# Altium PCB balancingrobot.PcbDoc
Units mil, origin at the board's own origin, x right, y up, seen from the top; angles counter-clockwise.
Board outline 3549.38 x 3155 mil, 2 copper layers (Top Layer, Bottom Layer); 30 components, 28 nets, 142 pads, 8 vias.
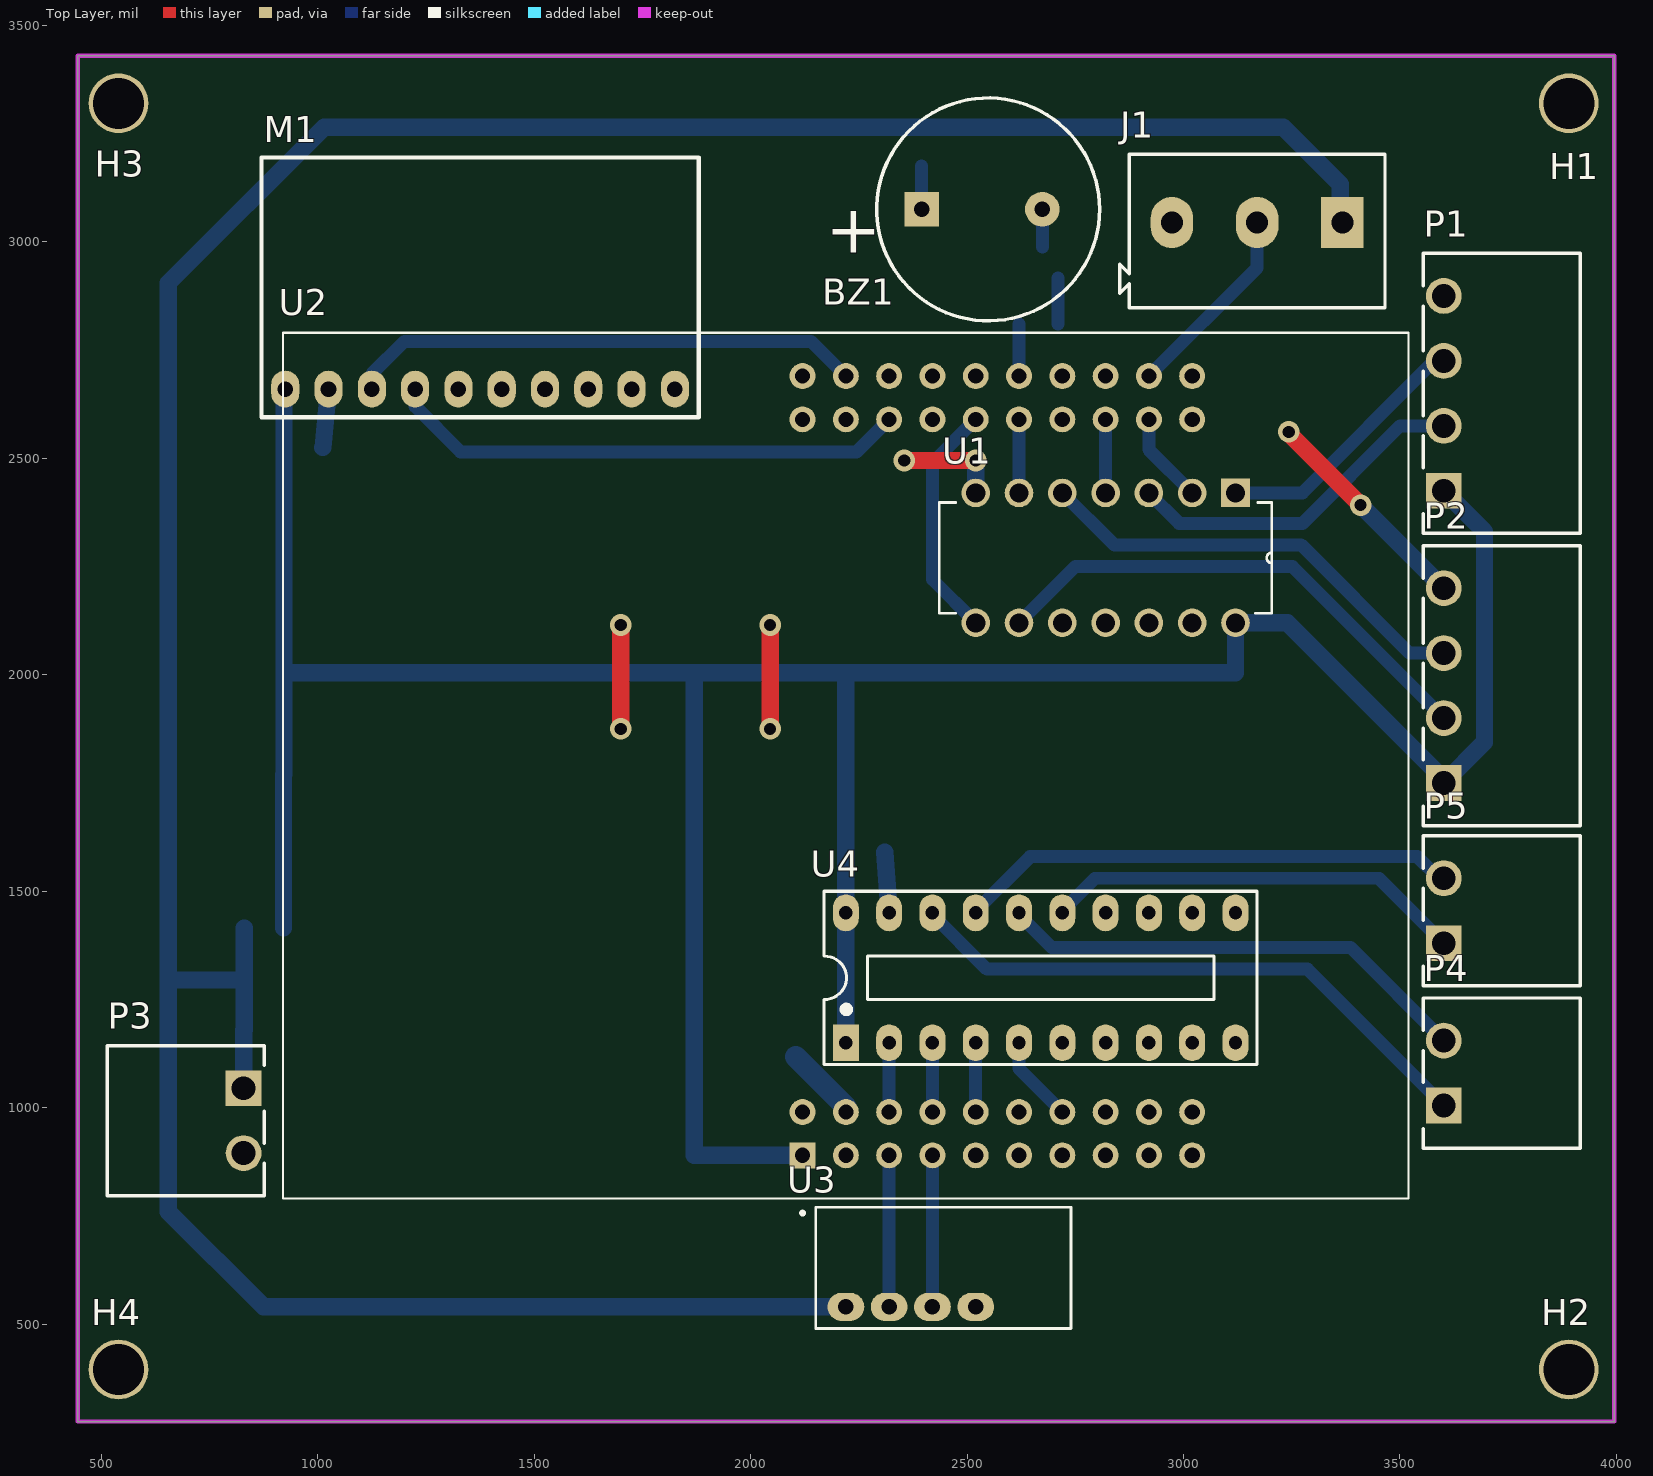
[diagram p0: Top Layer view]
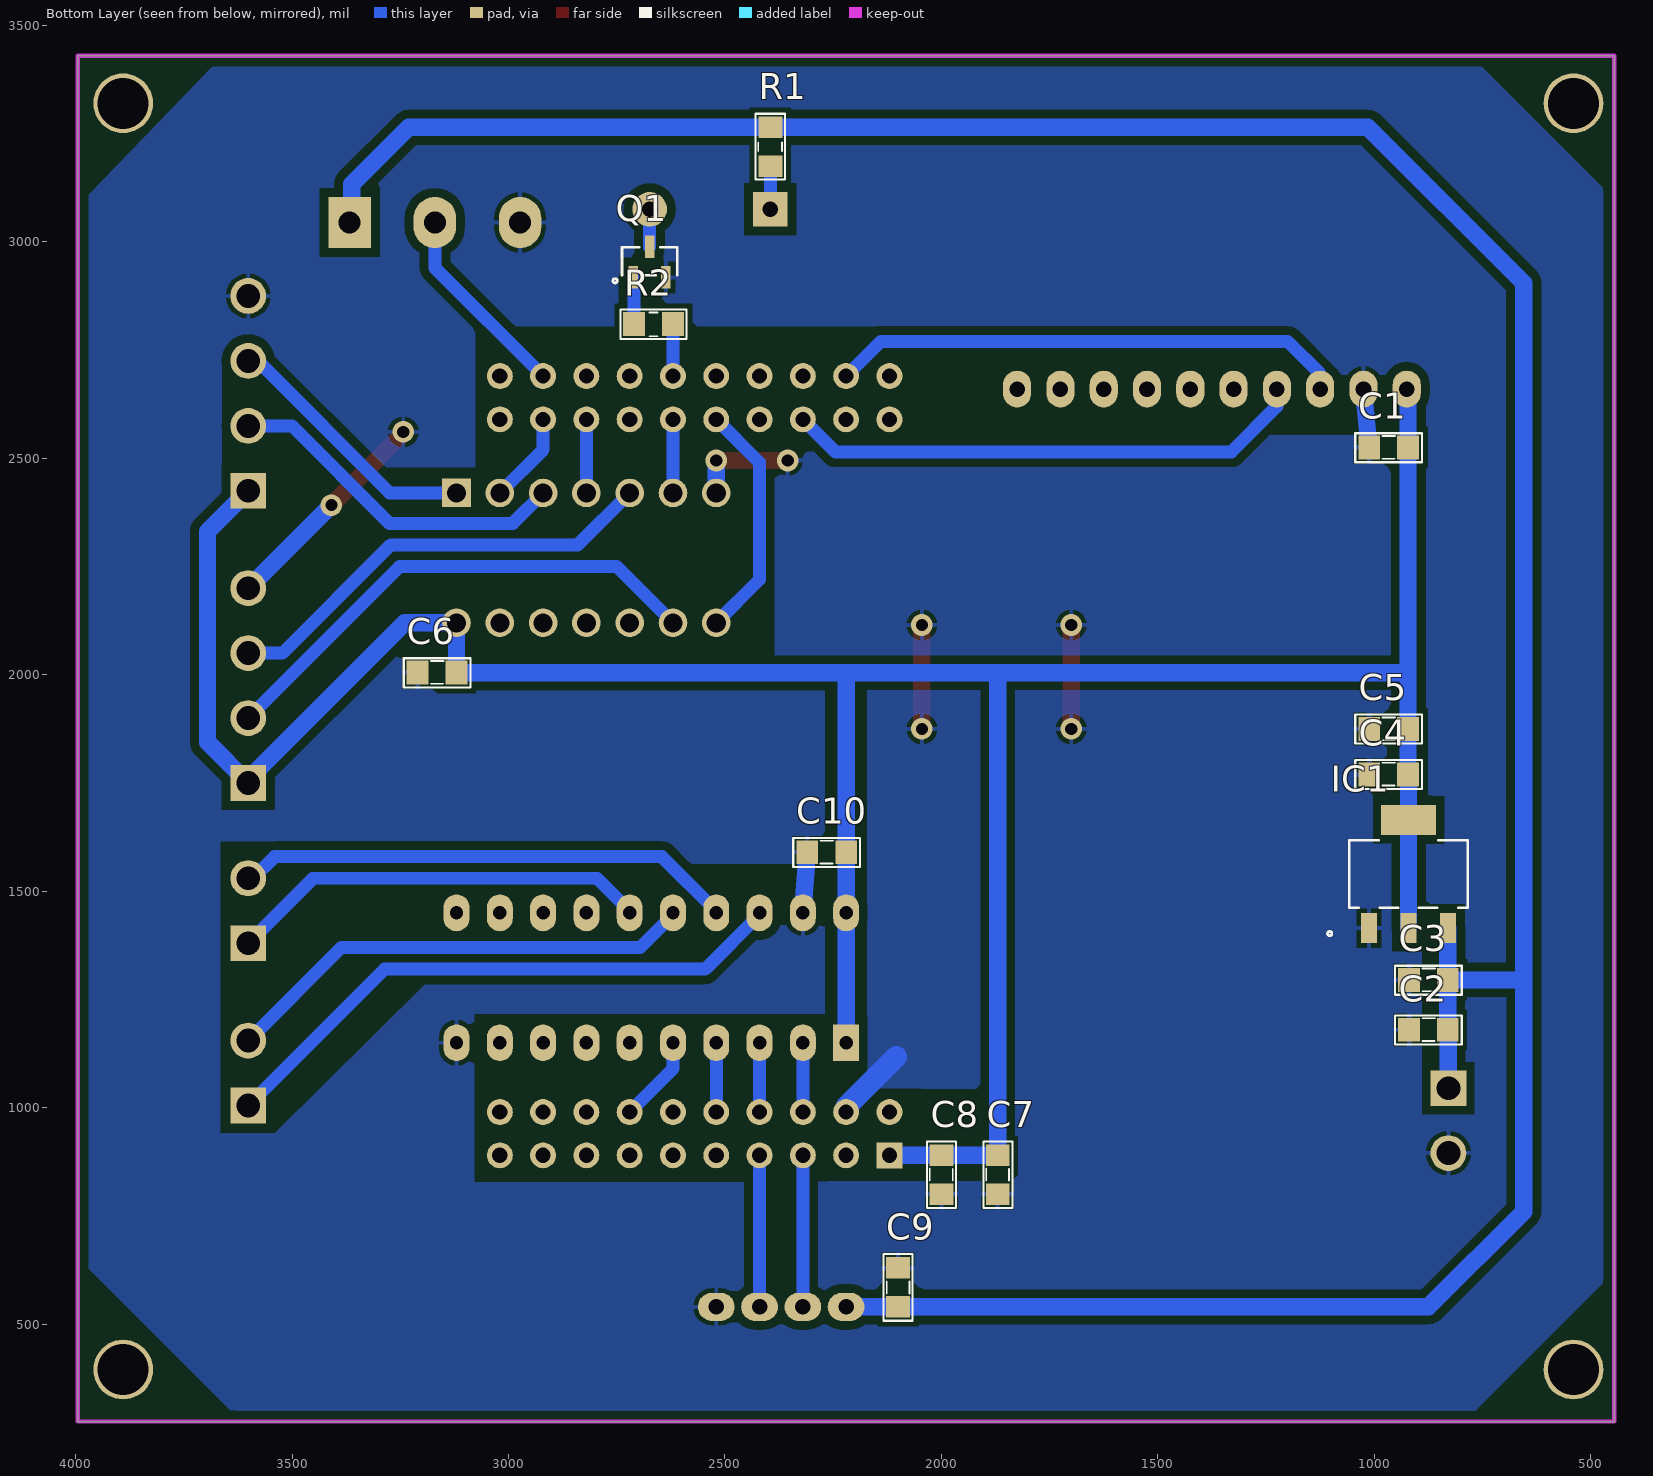
[diagram p1: Bottom Layer view, seen from below]
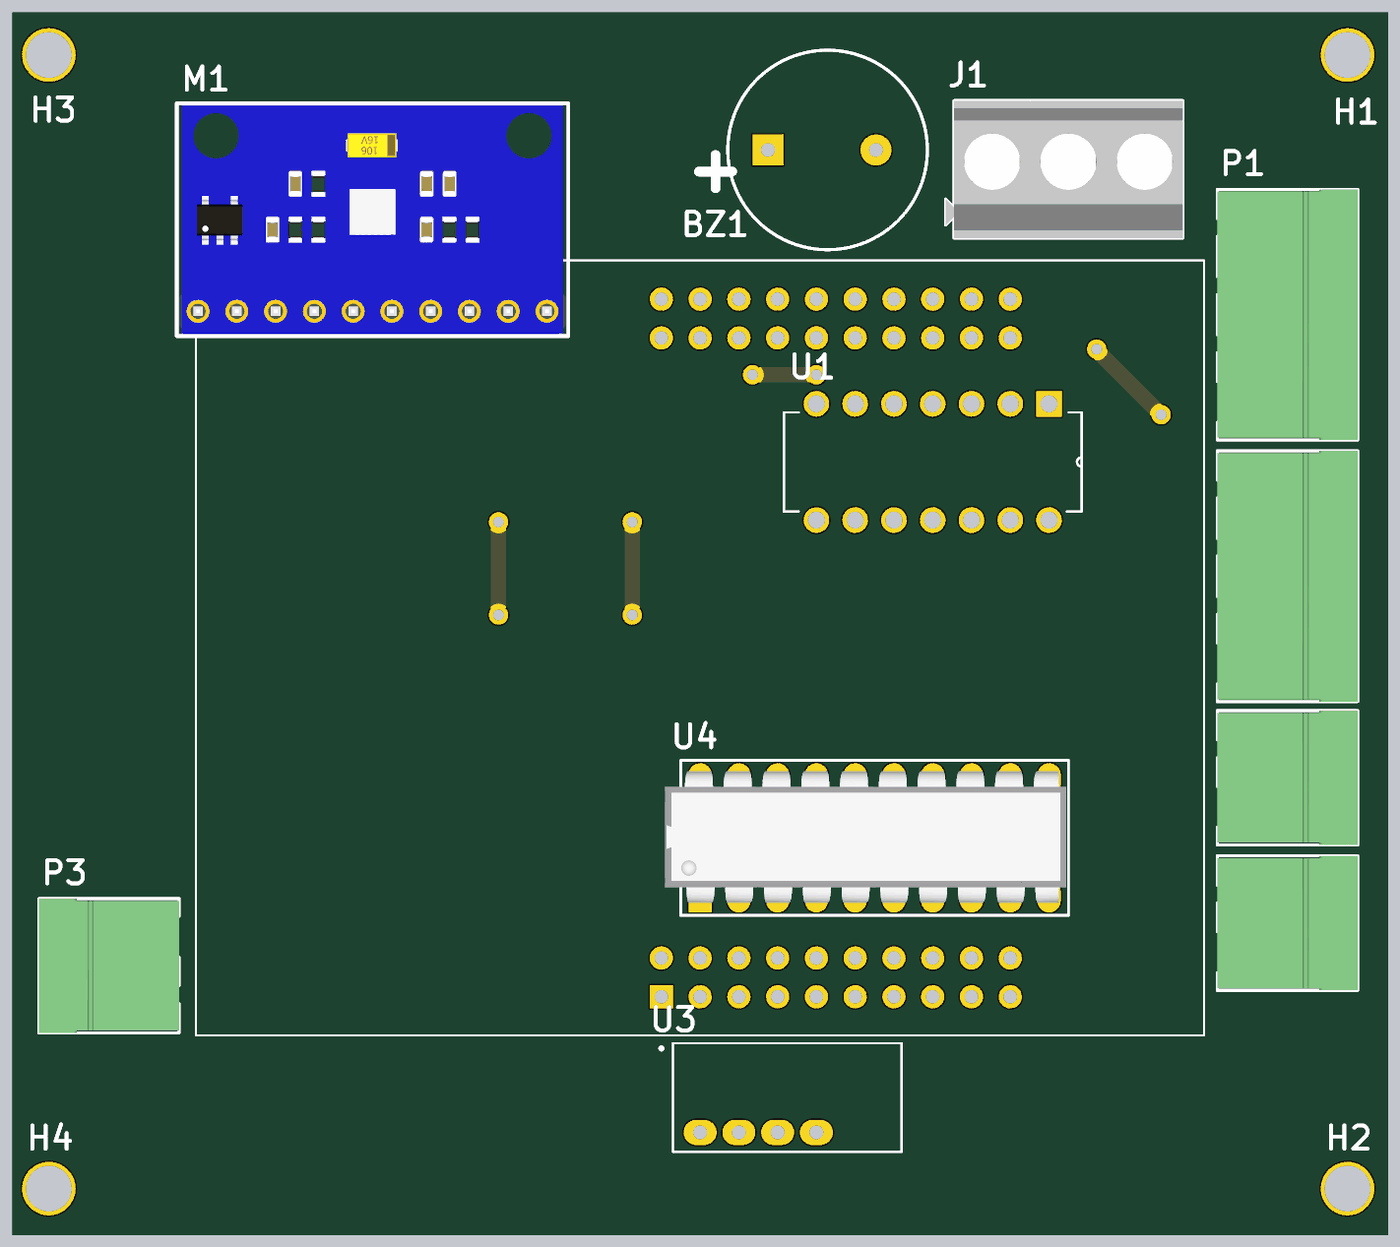
[diagram p2: 3D render of the assembled board from above, using the file's embedded part models]
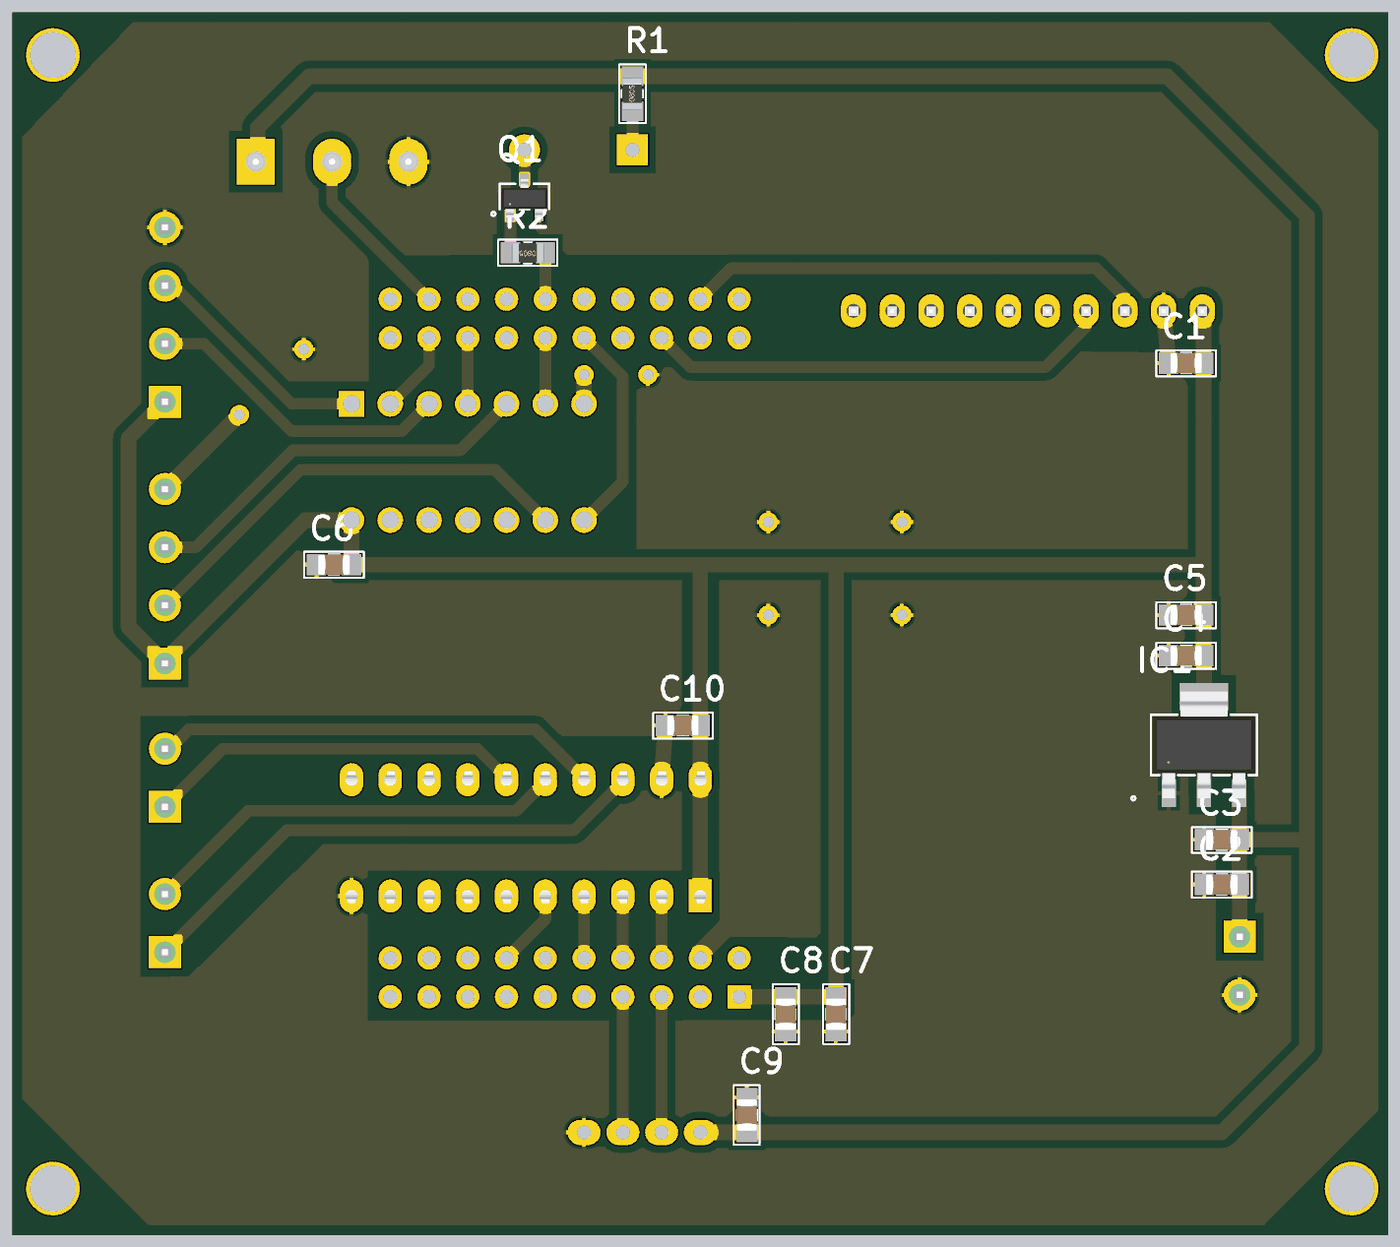
[diagram p3: 3D render of the assembled board from below, using the file's embedded part models]

## Layer stack, top to bottom
Top Solder: solder mask 0.4, Solder Resist, Dk 3.5
Top Layer: signal copper 1.4
Dielectric 1: dielectric 12.6, FR-4, Dk 4.8
Bottom Layer: signal copper 1.4
Bottom Solder: solder mask 0.4, Solder Resist, Dk 3.5

## Board outline
445.63,275 445.62,3430 3995,3430 3995,275

## Design rules (kind name [scope] priority, off if disabled: settings)
Clearance [All] p1: gap=20 ignorepadtopadclearanceinfootprint=FALSE
Height [All] p1: minheight=0 maxheight=5000 prefheight=500
PlaneConnect [All] p1: planeconnectstyle=Direct reliefexpansion=20 reliefentries=4 reliefconductorwidth=10 reliefairgap=10
PolygonConnect [All] p1: connectstyle=Relief reliefconductorwidth=10 reliefentries=4 polygonreliefangle="90 Angle" airgapwidth=10
RoutingVias [All] p1: holewidth=28 width=50 viastyle="Through Hole" minholewidth=28 minwidth=50 maxholewidth=28 maxwidth=50
SolderMaskExpansion [All] p1: expansion=4
Width [All] p1: maxlimit=50 minlimit=20 preferedwidth=30 minimp=50.000000 maximp=50.000000 favimp=50.000000
28 further rules are at their usual default settings.

## Components (designator, comment, footprint, x,y, rotation, side; value= is the part's Value field where it differs from the comment)
BZ1 "Buzzer" BUZZER 2393.73,3075 r0 top
C1 "Cap-100nF-50V-0805" CAP-SM-0805 1012,2525 r180 bottom value=100nF/50V
C2 "Cap-10uF-50V-0805" CAP-SM-0805 920,1180 r180 bottom value=10uF/50V
C3 "Cap-10uF-50V-0805" CAP-SM-0805 920,1295 r180 bottom value=10uF/50V
C4 "Cap-10uF-50V-0805" CAP-SM-0805 1012,1770 r180 bottom value=10uF/50V
C5 "Cap-10uF-50V-0805" CAP-SM-0805 1012,1875 r180 bottom value=10uF/50V
C6 "Cap-100nF-50V-0805" CAP-SM-0805 3210,2005 r180 bottom value=100nF/50V
C7 "Cap-100nF-50V-0805" CAP-SM-0805 1870,800 r90 bottom value=100nF/50V
C8 "Cap-100nF-50V-0805" CAP-SM-0805 2000,800 r90 bottom value=100nF/50V
C9 "Cap-100nF-50V-0805" CAP-SM-0805 2100,630 r270 bottom value=100nF/50V
C10 "Cap-100nF-50V-0805" CAP-SM-0805 2310,1590 r180 bottom value=100nF/50V
H1 "Hole" "LO KHOAN 3MM" 3890,3320 r0 top
H2 "Hole" "LO KHOAN 3MM" 3890,395 r0 top
H3 "Hole" "LO KHOAN 3MM" 540,3320 r0 top
H4 "Hole" "LO KHOAN 3MM" 540,395 r0 top
IC1 "AMS1117" SOT223_AMS111700 921,1539.8 r180 bottom
J1 "Domino-3-5mm" DOMINO-3-5mm 3170,3025 r180 top
M1 "GY9250" GY9250 925,2660 r270 top
P1 "691322310004" 691322310004 3735,2650 r90 top
P2 "691322310004" 691322310004 3735,1975 r90 top
P3 "691322310002" 691322310002 695,970 r270 top
P4 "691322310002" 691322310002 3735,1080 r90 top
P5 "691322310002" 691322310002 3735,1455 r90 top
Q1 "MMBT3904-1AM" SOT23_NEX 2673.73,2955 r180 bottom
R1 "Res-1K-0805" RES-SM-0805 2395,3175 r90 bottom value=1K
R2 "Res-15K-0805" RES-SM-0805 2620,2810 r0 bottom value=15K
U1 "74HC14N,652" DIP254P762X420-14 2520,2120 r270 top
U2 "EK-TM4C123GXL" MODULE_EK-TM4C123GXL 2220,1790 r90 top
U3 "CC2530" CC2530 2220,540 r0 top
U4 "74HC245" dip20 2220,1150 r0 top

## Footprints (in the part's own frame and the unit in brackets; to place one, negate y for a bottom-side part, rotate by r counter-clockwise, add the part's x,y. Pads: shape width x height; smd on the part's side, far side on the other; paste and mask are expansions set on the pad)
691322310002 [mm] "Horizontal PCB Header, pitch 3.81mm, 02p"
  rect 2.1x2.1 hole 1.4: 1(-1.905,3.4)
  round 2.1 hole 1.4: 2(1.905,3.4)
  silkscreen extent -4.4,-4.6 4.41,4.6, body extent -4.4,-4.6 4.41,4.6, height 7.25
691322310004 [mm] "Horizontal PCB Header, pitch 3.81mm, 04p"
  rect 2.1x2.1 hole 1.4: 1(-5.715,3.4)
  round 2.1 hole 1.4: 2(-1.905,3.4) 3(1.905,3.4) 4(5.715,3.4)
  silkscreen extent -8.21,-4.6 8.22,4.6, body extent -8.21,-4.6 8.21,4.6, height 7.25
BUZZER [mil] "Buzzer"
  rect 80x80 hole 36: 1(1.27,0)
  round 80 hole 36: 2(280,0)
  silkscreen extent -102,-257 412,257
CAP-SM-0805 [mil]
  rect 50x55 smd: 1(0,0) 2(90,0)
  silkscreen extent -32,-34 122,33, body extent 4,-27 86,27, height 30
CC2530 [mil]
  oval 85x65 hole 36: 1(0,0) 2(100,0) 3(200,0) 4(300,0)
  silkscreen extent -70,-50 520,230, body extent -145,-20 445,220, height 1548
dip20 [mil] "DIP 20, 20 PIN, W 300mil, Pin to pin 100mil"
  rect 60x85 hole 31: 1(0,0)
  oval 60x85 hole 31: 2(100,0) 3(200,0) 4(300,0) 5(400,0) 6(500,0) 7(600,0) 8(700,0) 9(800,0) 10(900,0) 11(900,300) 12(800,300) 13(700,300) 14(600,300) 15(500,300) 16(400,300) 17(300,300) 18(200,300) 19(100,300) 20(0,300)
  silkscreen extent -50,-50 950,350, body extent -91,-18 945,322, height 155
DIP254P762X420-14 [mil]
  rect 66x66 hole 44: 1(-300,600)
  round 66 hole 44: 2(-300,500) 3(-300,400) 4(-300,300) 5(-300,200) 6(-300,100) 7(-300,0) 8(0,0) 9(0,100) 10(0,200) 11(0,300) 12(0,400) 13(0,500) 14(0,600)
  silkscreen extent -278,-84 -22,684
DOMINO-3-5mm [mm] "Serie 1347 - 5.00 mm_3 pins"
  rect 2.5x3 hole 1.3: 1(-5,-0.5)
  oval 2.5x3 hole 1.3: 2(0,-0.5) 3(5,-0.5)
  silkscreen extent -7.5,-4.5 8.05,4.5, body extent -7.5,-4.5 8.05,4.5, height 13.1
GY9250 [mil]
  oval 85x65 hole 36: 1(0,0) 2(0,100) 3(0,200) 4(0,300) 5(0,400) 6(0,500) 7(0,600) 8(0,700) 9(0,800) 10(0,900)
  silkscreen extent -535,-55 65,955, body extent -530,-50 60,950, height 417
"LO KHOAN 3MM" [mil]
  round 138 hole 118.1: 1(0,0)
MODULE_EK-TM4C123GXL [mm]
  rect 1.52x1.52 hole 0.89: J1_1(-22.86,2.54)
  round 1.52 hole 0.89: J1_2(-22.86,0) J1_3(-22.86,-2.54) J1_4(-22.86,-5.08) J1_5(-22.86,-7.62) J1_6(-22.86,-10.16) J1_7(-22.86,-12.7) J1_8(-22.86,-15.24) J1_9(-22.86,-17.78) J1_10(-22.86,-20.32) J2_1(22.86,2.54) J2_2(22.86,0) J2_3(22.86,-2.54) J2_4(22.86,-5.08) J2_5(22.86,-7.62) J2_6(22.86,-10.16) J2_7(22.86,-12.7) J2_8(22.86,-15.24) J2_9(22.86,-17.78) J2_10(22.86,-20.32) J3_1(-20.32,2.54) J3_2(-20.32,0) J3_3(-20.32,-2.54) J3_4(-20.32,-5.08) J3_5(-20.32,-7.62) J3_6(-20.32,-10.16) J3_7(-20.32,-12.7) J3_8(-20.32,-15.24) J3_9(-20.32,-17.78) J3_10(-20.32,-20.32) J4_1(20.32,2.54) J4_2(20.32,0) J4_3(20.32,-2.54) J4_4(20.32,-5.08) J4_5(20.32,-7.62) J4_6(20.32,-10.16) J4_7(20.32,-12.7) J4_8(20.32,-15.24) J4_9(20.32,-17.78) J4_10(20.32,-20.32)
  silkscreen extent -26.35,-33.02 25.4,33.02, body extent -25.65,-32.51 25.15,33.53, height 22.2
RES-SM-0805 [mil]
  rect 50x55 smd: 1(0,0) 2(90,0)
  silkscreen extent -31,-34 121,34, body extent -5,-24 95,25, height 20
SOT23_NEX [mil]
  rect 22x52 smd paste+0 mask+4: 1(-37.5,-37.21) 2(37.5,-37.21) 3(0,33.36)
  silkscreen extent -85,-50 64,33, body extent -59,-54 59,44, height 43
SOT223_AMS111700 [mil]
  rect 37x70 smd paste+0 mask+0: 1(-91,-124.8) 2(0,-124.8) 3(91,-124.8)
  rect 126x70 smd paste+0 mask+0: 4(0,124.8)
  silkscreen extent -187,-143 137,78, body extent -132,-138 132,138, height 71

## Part data
C1 C6 C7 C8 C9 C10: "CAP CER 0.1UF 50V Y5V 0805", Manufacturer="Samsung Electro-Mechanics", Manufacturer Part Number=CL21F104ZBCNNNC, Supplier 1 Part Number=1276-1007-1-ND, Local Supplier=thegioiic, Local Supplier Link=https://thegioiic.com/products/tu-100nf-0-1uf-50v-0805, Supplier 1=Digikey, Supplier 1 Link=https://www.digikey.com/product-detail/en/samsung-electro-mechanics/CL21F104ZBCNNNC/1276-1007-1-ND/3889093
C2 C3 C4 C5: "CAP CER 10UF 50V X5R 0805", Manufacturer=Yageo, Manufacturer Part Number=CC0805KKX5R9BB106, Supplier 1 Part Number=311-3499-2-ND, Local Supplier=thegioiic, Local Supplier Link=https://thegioiic.com/products/tu-10uf-50v-0805, Supplier 1=Digikey, Supplier 1 Link=https://www.digikey.com/product-detail/en/yageo/CC0805KKX5R9BB106/311-3499-2-ND/7164383
H1 H2 H3 H4: "Hole 3mm"
IC1: Manufacturer_Part_Number=AMS1117-5.0, Built_By=EMA_Kyle, Copyright="Copyright (C) 2018 Accelerated Designs. All rights reserved", RefDes=RefDes, SourceLibrary=Advanced_Monolithic_Systems_2020-02-13, Type=DEV, Vendor="Advanced Monolithic Systems"
J1: "WR-TBL Serie 1347 Horizontal Cable Entry, Pressure Clamp, pitch 5mm, 3p", Operating Temperature="-30 to +120degC", Part Number=691134710003, Rated Current [UL]=16A, Working Voltage [UL]=300VAC, Application="Pressure Clamp", Compliance="Lead free / RoHS", ComponentLink1Description=Manufacturer, ComponentLink1URL=http://www.we-online.de, ComponentLink2Description=Datasheet, ComponentLink2URL=https://katalog.we-online.de/em/datasheet/691134710003.pdf, Modularity=Yes, Mounting Technology=THT, Packaging=Box, PCB/Cable/Panel=PCB, Pin Number=3, Pitch=5mm, Published Date="October 2019", Publisher="Wurth Elektronik", Type=Horizontal
P1 P2: "WR-TBL Serie 322 Horizontal PCB Header, Pluggable, pitch 3.81mm, 4p", Operating Temperature="-40 to +105degC", Rated Current [UL]=10A, Working Voltage [UL]=300VAC, Application=Pluggable, Compliance=RoHS, ComponentLink1Description=Manufacturer, ComponentLink1URL=http://www.we-online.de, ComponentLink2Description=Datasheet, ComponentLink2URL=https://katalog.we-online.de/em/datasheet/691322310004.pdf, Modularity=No, Mounting Technology=THT, Packaging=Box, Part Number=691322310004, PCB/Cable/Panel=PCB, Pin Number=4, Pitch=3.81mm, Published Date="October 2019", Publisher="Wurth Elektronik", Type=Horizontal
P3 P4 P5: "WR-TBL Serie 322 Horizontal PCB Header, Pluggable, pitch 3.81mm, 2p", Operating Temperature="-40 to +105degC", Rated Current [UL]=10A, Working Voltage [UL]=300VAC, Application=Pluggable, Compliance=RoHS, ComponentLink1Description=Manufacturer, ComponentLink1URL=http://www.we-online.de, ComponentLink2Description=Datasheet, ComponentLink2URL=https://katalog.we-online.de/em/datasheet/691322310002.pdf, Modularity=No, Mounting Technology=THT, Packaging=Box, Part Number=691322310002, PCB/Cable/Panel=PCB, Pin Number=2, Pitch=3.81mm, Published Date="October 2019", Publisher="Wurth Elektronik", Type=Horizontal
Q1: Manufacturer_Part_Number=MMBT3904, Copyright="Copyright (C) 2016 Accelerated Designs. All rights reserved", RefDes=RefDes, SourceLibrary=Nexperia_2018-05-2018, Type=DEV, Vendor=Nexperia
R1: "RES 1K OHM 1% 1/4W 0805", Manufacturer="Stackpole Electronics Inc", Manufacturer Part Number=RNCP0805FTD1K00, Supplier 1 Part Number=RNCP0805FTD1K00CT-ND, Local Supplier=thegioiic, Local Supplier Link=https://thegioiic.com/products/dien-tro-1k-ohm-0805-5, Supplier 1=Digikey, Supplier 1 Link=https://www.digikey.com/product-detail/en/stackpole-electronics-inc/RNCP0805FTD1K00/RNCP0805FTD1K00CT-ND/2240568
R2: "RES 15K OHM 1% 1/4W 0805", Manufacturer="TE Connectivity Passive Product", Manufacturer Part Number=CRGCQ0805F15K, Supplier 1 Part Number=A129763CT-ND, Local Supplier=thegioiic, Local Supplier Link=https://thegioiic.com/products/dien-tro-15k-ohm-0805-1, Supplier 1=Digikey, Supplier 1 Link=https://www.digikey.com/product-detail/en/te-connectivity-passive-product/CRGCQ0805F15K/A129763CT-ND/8577595
U1: "Inverter IC 6 Channel Schmitt Trigger 14-DIP", Package="DIP-14 Nexperia", Availability=Bad, MF="NXP USA", MP=74HC14N,652, Price=None, SnapEDA_Link=https://www.snapeda.com/parts/74HC14N,652/NXP%20USA%20Inc./view-part/2774194/?ref=snap
U2: "ARM® Cortex®-M4F Based MCU TM4C123G LaunchPad™ Evaluation Kit", Package=None, Availability=Warning, Check_prices=https://www.snapeda.com/parts/EK-TM4C123GXL/Texas%20Instruments/view-part/132968/?ref=eda, MF="Texas Instruments", MP=EK-TM4C123GXL, Price=None, Purchase-URL=https://pricing.snapeda.com/search/part/EK-TM4C123GXL/?ref=eda, SnapEDA_Link=https://www.snapeda.com/parts/EK-TM4C123GXL/Texas%20Instruments/view-part/132968/?ref=snap
U3: library part "Zigbee CC2530", "Zigbee"
U4: "Dán", Chung_Loai=Dán, Don_Vi=Con, Ma_Hang=MH003571, Ten_Linh_Kien="74HC245DW SSOP20 5.2MM"
M1: Local Supplier=HShop, Local Supplier Link=https://hshop.vn/products/cam-bien-gy-9250-9dof-imu-mpu9250

## Via types
v1: diameter 50, hole 28, Top Layer to Bottom Layer, 8 vias

## Nets (pads, with @x,y where several pads share a name; then routed paths per layer and width w, separated by ;. In a path a pad name is that pad's centre, name@x,y a point inside that pad or via, vN(x,y) a via of type N, cw(c..) or ccw(c..) an arc to the next point about the centre after c; other vN are vias at no path point)
3V3: C1.2 C4.2 C5.2 C6.2 C7.2 C8.2 C10.2 IC1.2 IC1.4 M1.1 P1.1 P2.1 U1.14 U2.J1_1 U4.1 U4.20 | length 7172
  Bottom Layer w40: IC1.2 IC1.4 921,1769 C4.2 C5.2 922,2005 ; M1.1 922,2657 C1.2 922,2005 ; U2.J1_1 C8.2 C7.2 1870,2005 ; U4.1 U4.20 C10.2 2220,2005 ; P1.1 3695,2331.14 3695,1843.86 P2.1 3601.14,1758.86 3240,2120 U1.14 C6.2 2220,2005 ; 922,2005 1870,2005 ; 1870,2005 2220,2005
5V: C2.2 C3.2 C9.2 IC1.3 J1.1 P3.1 R1.2 U3.1 | length 7347.7
  Bottom Layer w40: P3.1 828.86,1178.86 C2.2 C3.2 ; IC1.3 C3.2 ; U3.1 C9.2 875,540 655,760 655,1295 ; J1.1 3361.85,3049.69 3361.85,3133.15 3230,3265 R1.2 1015,3265 655,2905 655,1295 ; 655,1295 C3.2
CC2530_RX: U2.J1_4 U3.3 | length 350
  Bottom Layer w30: U3.3 U2.J1_4
CC2530_TX: U2.J1_3 U3.2 | length 350
  Bottom Layer w30: U3.2 U2.J1_3
ENC_1A: P1.2 U1.3 | length 803.3
  Bottom Layer w30: U1.3 2990,2350 3275,2350 3500,2575 P1.2
ENC_1A_MCU: U1.4 U2.J4_8 | length 170
  Bottom Layer w30: U1.4 U2.J4_8
ENC_1B: P1.3 U1.1 | length 607.5
  Bottom Layer w30: U1.1 3274.29,2420 3579.29,2725 P1.3
ENC_1B_MCU: U1.2 U2.J4_9 | length 211.4
  Bottom Layer w30: U2.J4_9 2920,2520 U1.2
ENC_2A: P2.2 U1.9 | length 1180
  Bottom Layer w30: U1.9 2750,2250 3251.14,2250 P2.2
ENC_2A_MCU: U1.8 U2.J4_5 | length 552.8
  Bottom Layer w30: U1.8 2420,2220 2420,2490 U2.J4_5
ENC_2B: P2.3 U1.5 | length 1034.4
  Bottom Layer w30: U1.5 2840,2300 3271.86,2300 3521.85,2050 P2.3
ENC_2B_MCU: U1.6 U2.J4_6 | length 170
  Bottom Layer w30: U1.6 U2.J4_6
GND: C1.1 C2.1 C3.1 C4.1 C5.1 C6.1 C7.1 C8.1 C9.1 C10.1 IC1.1 J1.3 M1.2 P1.4 P2.4 P3.2 Q1.2 U1.7 U2.J3_2 U3.4 U4.10 U4.19 | length 1681.4
  Top Layer w40: v1(1700,1875) v1(1700,2115) ; v1(2045,1875) v1(2045,2115) ; v1(2355,2495) v1(2520,2495) ; v1(3243,2561) 3243,2558.14 v1(3409.14,2392)
  Bottom Layer w40: C1.1 M1.2 ; C10.1 U4.19 ; U1.7 v1(2520,2495) ; v1(3409.14,2392) P2.4
  Bottom Layer w50: 2104,1118 2220,1002 U2.J3_2
GY9250_SCL: M1.3 U2.J2_2 | length 1194.2
  Bottom Layer w30: M1.3 1125,2695 1200,2770 2140,2770 U2.J2_2
GY9250_SDA: M1.4 U2.J4_3 | length 1209.6
  Bottom Layer w30: M1.4 1225,2620 1330,2515 2245,2515 U2.J4_3
LED: J1.2 U2.J2_9 | length 458.2
  Bottom Layer w30: U2.J2_9 3170,2940 J1.2
MTR1_DIR: P4.2 U4.16 | length 1105.9
  Bottom Layer w30: U4.16 2620,1445.58 2695.58,1370 3386.14,1370 P4.2
MTR1_PWM: P4.1 U4.18 | length 1368.1
  Bottom Layer w30: U4.18 2420,1445.58 2545.58,1320 3286.14,1320 P4.1
MTR2_DIR: P5.1 U4.15 | length 979
  Bottom Layer w30: U4.15 2720,1454.42 2795.58,1530 3451.14,1530 P5.1
MTR2_PWM: P5.2 U4.17 | length 1158.3
  Bottom Layer w30: U4.17 2520,1454.42 2645.58,1580 3540,1580 3590,1530 P5.2
MTR_1_DIR: U2.J3_5 U4.4 | length 160
  Bottom Layer w30: U2.J3_5 U4.4
MTR_1_PWM: U2.J3_3 U4.2 | length 160
  Bottom Layer w30: U2.J3_3 U4.2
MTR_2_DIR: U2.J3_7 U4.5 | length 201.4
  Bottom Layer w30: U4.5 2620,1090 U2.J3_7
MTR_2_PWM: U2.J3_4 U4.3 | length 160
  Bottom Layer w30: U2.J3_4 U4.3
NetBZ1_1: BZ1.1 R1.1 | length 100
  Bottom Layer w30: BZ1.1 R1.1
NetBZ1_2: BZ1.2 Q1.3 | length 86.6
  Bottom Layer w30: Q1.3 BZ1.2
NetQ1_1: Q1.1 R2.2 | length 106.6
  Bottom Layer w30: R2.2 Q1.1@2710,2916.55
NetR2_1: R2.1 U2.J2_6 | length 120
  Bottom Layer w30: U2.J2_6 R2.1
pads on no net: H1.1 H2.1 H3.1 H4.1 M1.5 M1.6 M1.7 M1.8 M1.9 M1.10 U1.10 U1.11 U1.12 U1.13 U2.J1_2 U2.J1_5 U2.J1_6 U2.J1_7 U2.J1_8 U2.J1_9 U2.J1_10 U2.J2_1 U2.J2_3 U2.J2_4 U2.J2_5 U2.J2_7 U2.J2_8 U2.J2_10 U2.J3_1 U2.J3_6 U2.J3_8 U2.J3_9 U2.J3_10 U2.J4_1 U2.J4_2 U2.J4_4 U2.J4_7 U2.J4_10 U4.6 U4.7 U4.8 U4.9 U4.11 U4.12 U4.13 U4.14

## Polygon pours and split planes (outlines as drawn)
GND on Bottom Layer "GND_L02_P-001" (solid, remove dead copper, pour order 66): 3995,3430 3995,275 445.63,275 445.63,3430 445.62,3430
GND on Bottom Layer "GND_L02_P-001" (solid, remove dead copper, pour order 62): 445.62,3430
GND on Bottom Layer "GND_L02_P-001" (solid, remove dead copper, pour order 42): 445.62,3350
GND on Bottom Layer "GND_L02_P-001" (solid, remove dead copper, pour order 16): 715,3395
no net on Bottom Layer "GND_L02_P-001" (solid, remove dead copper, pour order 2): 715,3400
no net on Bottom Layer "GND_L02_P-001" (hatched Horizontal grid 20 track 8, remove dead copper, pour order 0): 715,3400

## Keep-outs
Keep-Out Layer:
  the board outline again, w10

## Other copper
Bottom Layer:
  pour cut-out: 3643,301 3973,631 3973,307 3970,304
  pour cut-out: 764.77,302.26 472,595.03 472,300 471,299
  pour cut-out: 472.08,3125.08 751.51,3404.51 471,3404.51
  pour cut-out: 3683.78,3404.77 3969.75,3404.77 3969.75,3108.76
  pour cut-out: 2254.07,1473 2577,1473 2577,1562 2254.07,1562
  pour cut-out: 956,2552 1241,2555 1241,2639 957,2641
  pour cut-out: 2412,2517 2288,2516 2288,2569 2412,2569
  pour cut-out: 3304,2067 3304,2467 3661.59,2715 3661.59,2067
  pour cut-out: 3076,2789 3076,2478 3284,2478 3284,2454.95 2955.3,2456 2957,2790
  pour cut-out: 1907.5,830 2268.33,830 2268.33,1966 2171,1966 2171,1045.01 1907.5,1043
  pour cut-out: 866,1370 890.85,1370 890.85,1104.91 864,1104.91
  pour cut-out: 2646.73,2943 2647,2857.5 2674.7,2857.5 2674,2943
  pour cut-out: 2147.61,2715 2982,2715 2982,2803.37 2147.61,2804.83
  pour cut-out: 3193,1285.38 3539.51,942.45 3665,941.46 3665,1614 3193,1614
  pour cut-out: 2263.67,1216.15 2263.67,829 3078.36,829 3078.36,1216.15
  pour cut-out: 2665.2,1018.47
  pour cut-out: 3053,2564 3053,2039 2384.34,2039 2384.34,2564

## Text inside footprints (layer, text, board x,y; h text height)
BZ1: Top Overlay "+" at 2173.73,2975 h112.5